# KiCad board hellen88m42bmw.kicad_pcb (continued)
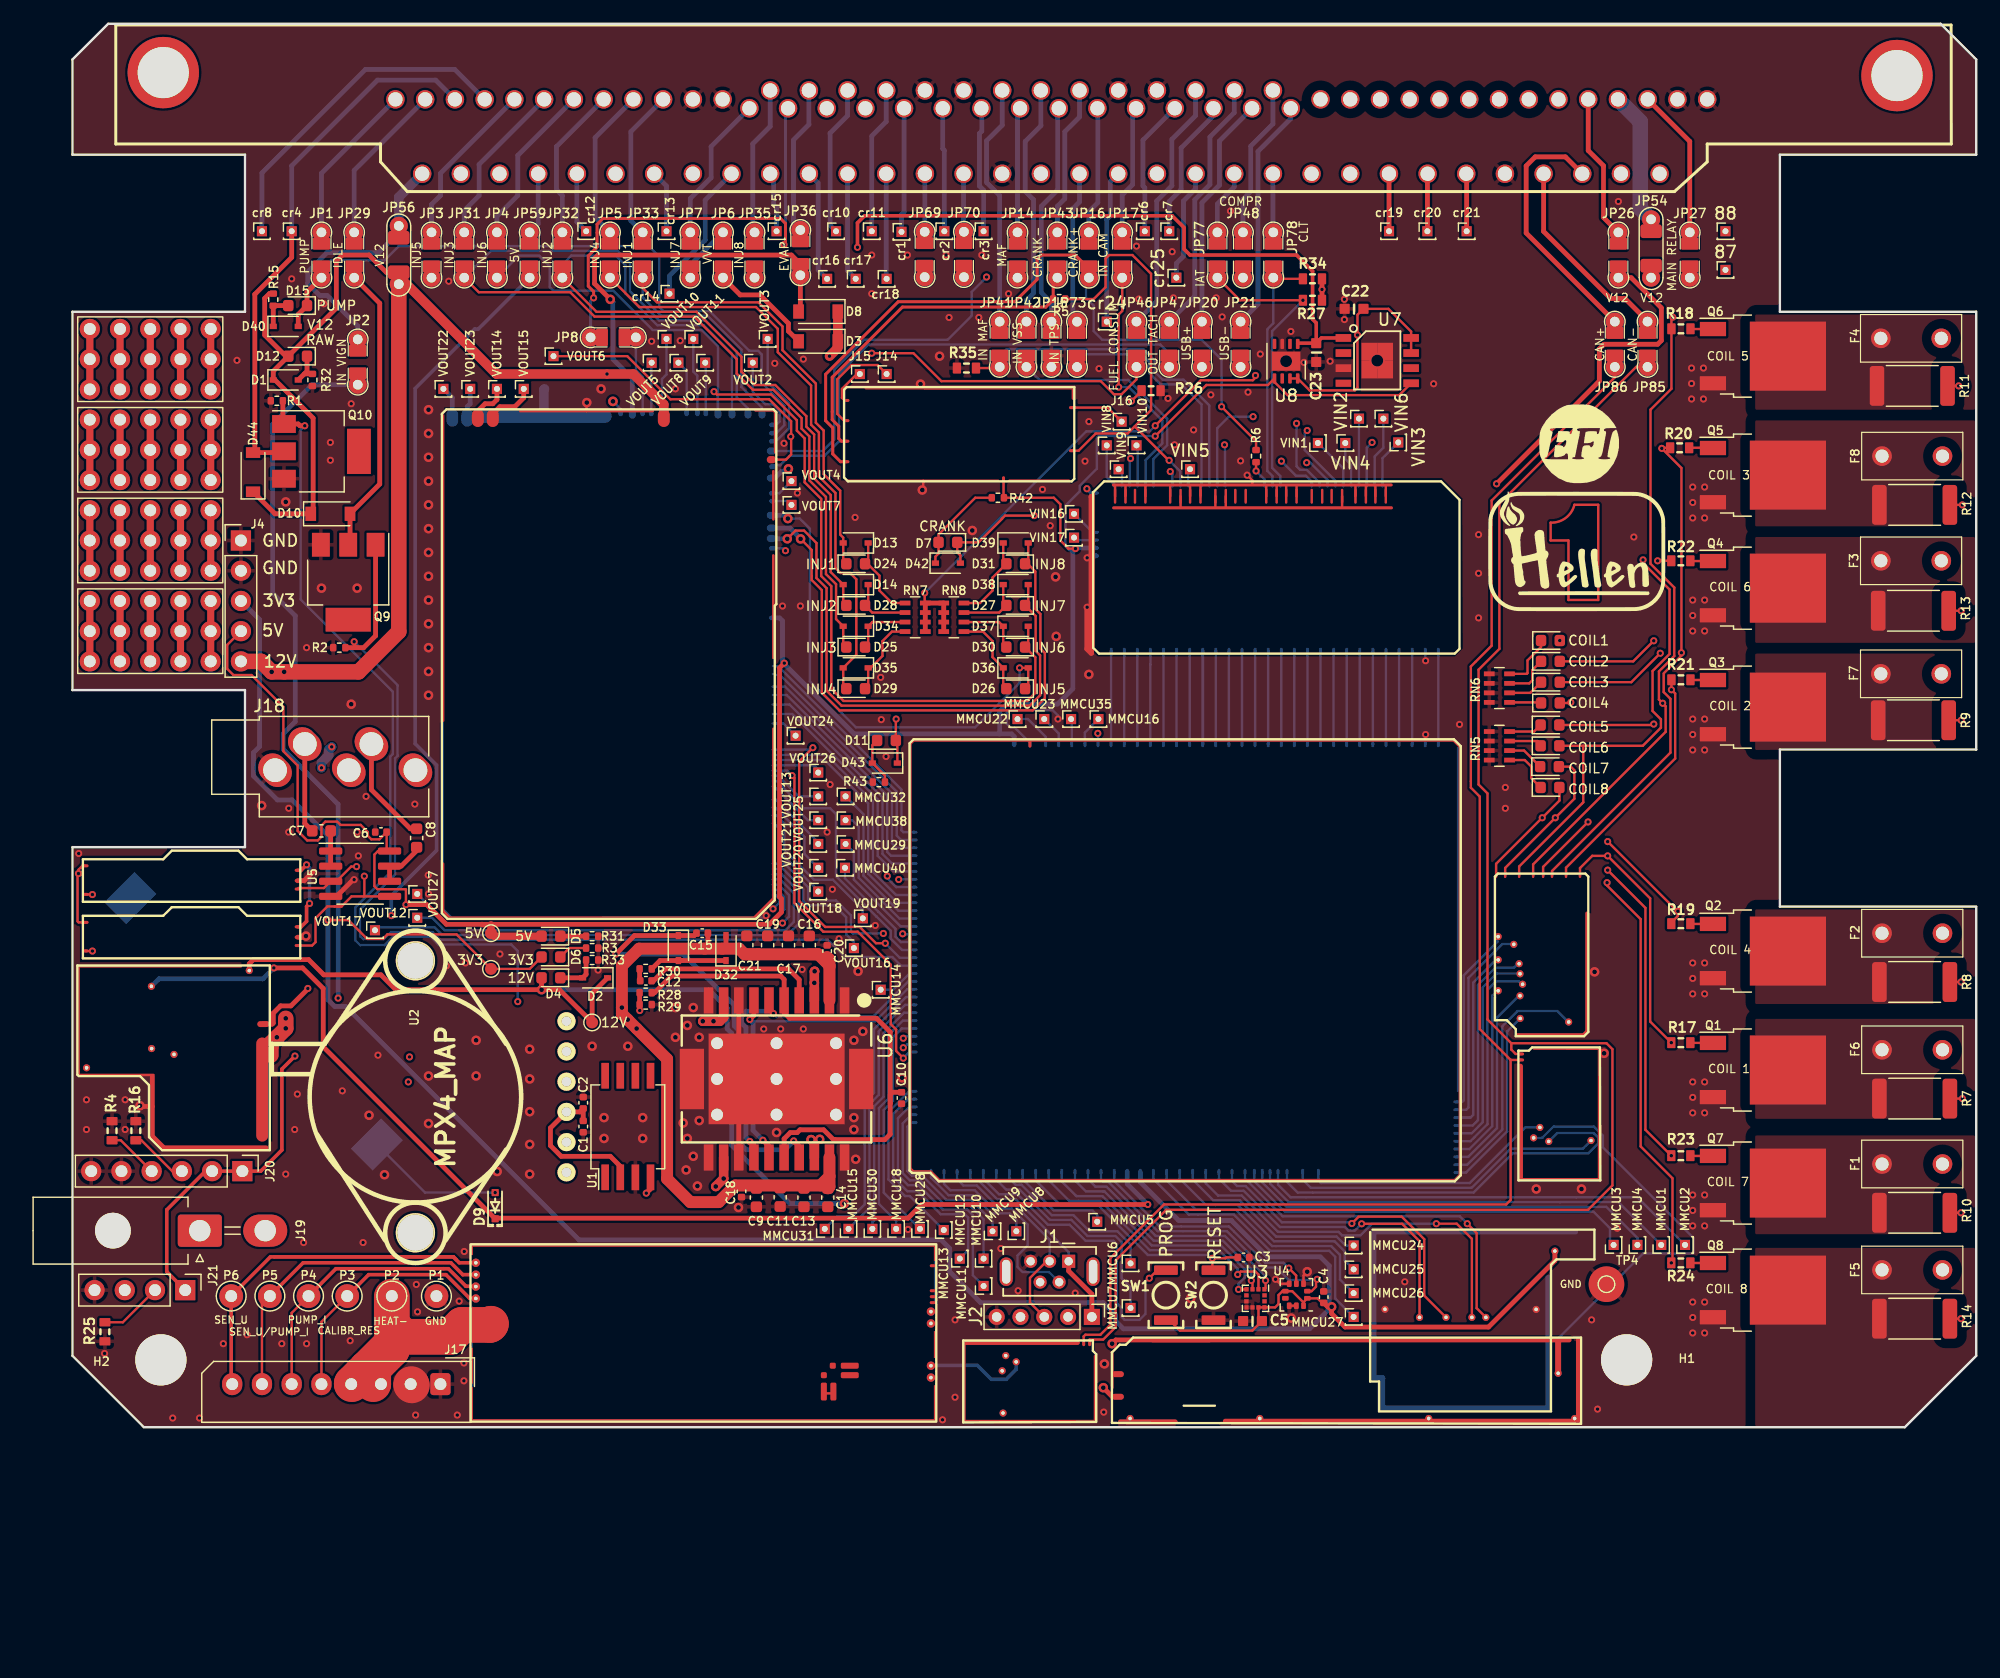
[diagram p0: board, top side]
## Routing (per net, layer and track width the routed paths; a pad name or vN(x,y) marks a point on that pad's centre or on a via; arc(x,y) is an arc through that point) (continued)
Net-(M9B-LOW8_HIGH2): length 36.9
  Bottom w0.2: M9.W37 59.47,46.04 60.63,44.89 60.63,42.47 59.92,41.77 31.28,41.77 30.23,42.82 VOUT12.1
Net-(M9B-LOW9): length 4.4
  Bottom w0.2: VOUT13.1 61.03,53.02 59.3,54.75 M9.W27
Net-(M9B-LOW11): length 11.2
  Bottom w0.2: M9.W35 59.72,46.92 61.43,45.22 61.43,44.21 61.76,43.87 64.01,43.87 65.03,42.86 65.03,41.42 65.68,40.77 VOUT16.1
Net-(M9B-LOW12): length 41.8
  Bottom w0.2: VOUT17.1 25.68,42.02 30.43,42.02 31.08,41.37 60.09,41.37 61.03,42.31 61.03,45.05 59.6,46.48 M9.W36
Net-(M9B-SOLENOID_A1): length 7.3
  Bottom w0.2: M9.W33 59.43,50.3 59.43,48.35 62.68,45.1 VOUT18.1
Net-(M9B-SOLENOID_A2): length 12.8
  Bottom w0.2: VOUT19.1 66.43,43.5 63.91,46.02 62.32,46.02 59.83,48.51 59.83,50.76 59.15,51.43 M9.W32
Net-(M9B-SOLENOID_B1): length 6.7
  Bottom w0.2: VOUT20.1 61.53,48.17 61.53,49.62 59.06,52.09 M9.W31
Net-(M9B-SOLENOID_B2): length 5.4
  Bottom w0.2: VOUT21.1 62.68,49.17 59.1,52.75 M9.W30
Net-(M9C-OUT_HIGH1): length 2
  Bottom w0.2: M9.W8 59.4,78.5 VOUT4.1
Net-(M9C-OUT_HIGH2): length 4.2
  Bottom w0.2: VOUT5.1 48.65,89.45 M9.S9
Net-(M9C-OUT_LOW2): length 6.9
  Bottom w0.2: VOUT2.1 57.18,87.04 58.24,85.97 58.88,85.97 59.43,85.43 59.43,84.52 59.15,84.24 M9.W1
Net-(M9C-OUT_LOW6_DIODE): length 10.1
  Bottom w0.2: M9.W3 59.12,82.87 60.23,83.97 60.23,86.05 58.43,87.85 VOUT3.1
Net-(M9C-OUT_LOW7_PULLUP): length 1.7
  Bottom w0.2: VOUT7.1 60.1,77.85 M9.W9
Net-(M9C-OUT_LOW8_PULLUP): length 4.5
  Bottom w0.2: VOUT8.1 51.62,88.78 M9.S12
Net-(M9C-OUT_LOW9): length 4.2
  Bottom w0.2: VOUT9.1 53.23,89.42 M9.S14
Net-(M9C-OUT_LOW11): length 6.4
  Bottom w0.2: VOUT10.1 49.93,88.49 49.54,88.11 M9.S10
Net-(M9C-OUT_LOW12): length 6.3
  Bottom w0.2: M9.S13 52.52,88.38 52.18,88.72 VOUT11.1
Net-(M9C-OUT_SOLENOID_A1): length 2.7
  Bottom w0.4: VOUT22.1 31.92,86.52 M9.S1
Net-(M9C-OUT_SOLENOID_A2): length 2.5
  Bottom w0.4: VOUT23.1 33.43,86.02 33.18,85.78 M9.S2
Net-(M9C-OUT_SOLENOID_B1): length 3.5
  Top w0.4: VOUT14.1 35.68,86.37 35.33,86.02 34.68,86.02 34.07,85.42 M9.S4
Net-(M9C-OUT_SOLENOID_B2): length 4.3
  Top w0.4: VOUT15.1 37.93,86.52 37.18,85.77 35.93,85.77 35.32,85.17 M9.S5
Net-(M11A-SPI1_CS1): length 19.1
  Bottom w0.2: M11.E4 70.23,27.58 68.98,26.32 68.98,21.03 70.18,19.83 71.05,19.83 72.97,17.9 75,17.9 75.28,17.62 75.28,14.87 MMCU12.1
Net-(M11A-SPI1_CS2): length 15
  Bottom w0.2: M11.E5 70.33,28.24 68.58,26.49 68.58,20.82 69.97,19.43 70.37,19.43 MMCU13.1
Net-(M11A-SPI1_MISO): length 17.2
  Bottom w0.2: 70.78,26.29 70.53,26.29 69.78,25.53 69.78,21.36 70.39,20.75 71.26,20.75 73.31,18.7 75.36,18.7 76.58,17.48 MMCU10.1
Net-(M11A-SPI1_MOSI): length 20.6
  Bottom w0.2: M11.E3 70.32,26.92 69.38,25.97 69.38,21.19 70.22,20.35 71.09,20.35 73.14,18.3 75.2,18.3 75.68,17.82 75.68,12.77 MMCU11.1
Net-(M11A-SPI1_SCK): length 14.2
  Bottom w0.2: MMCU9.1 77.33,17.3 75.53,19.1 73.47,19.1 71.42,21.15 70.55,21.15 70.18,21.52 70.18,25.27 70.5,25.6 M11.E1
Net-(M11A-SWCLK): length 8.7
  Bottom w0.2: M11.N25 79.85,20.85 82.47,18.23 85.72,18.23 86.13,17.82 MMCU5.1
Net-(M11A-SWDIO): length 14.8
  Bottom w0.2: 79.58,20.37 79.76,20.37 ; 79.58,20.37 79.76,20.37 ; 79.58,20.37 79.28,20.37 78.75,20.9 M11.N26 ; 79.76,20.37 82.31,17.83 84.12,17.83 85.48,16.47 87.82,16.47 88.93,15.37 MMCU6.1
Net-(M11A-SWO): length 19.2
  Bottom w0.2: MMCU7.1 88.93,11.77 88.18,12.52 88.18,15.55 87.66,16.07 85.31,16.07 83.96,17.43 82.14,17.43 79.6,19.97 78.48,19.97 77.65,20.8 M11.N27
Net-(M11A-UART2_RX): length 33.9
  Bottom w0.2: MMCU3.1 129.23,15.62 129.23,16.72 127.83,18.12 101.88,18.12 99.33,20.68 M11.N7
Net-(M11A-UART2_TX): length 34.9
  Bottom w0.2: M11.N6 99.99,20.58 102.05,18.52 128.91,18.52 131.53,15.91 MMCU4.1
Net-(M11A-UART8_RX): length 36
  Bottom w0.2: MMCU1.1 129.93,18.92 125.03,18.92 125.02,18.92 120.03,18.92 120.02,18.92 104.93,18.92 102.21,18.92 100.66,20.48 M11.N5
Net-(M11A-UART8_TX): length 37.4
  Bottom w0.2: M11.N4 101.32,20.38 102.37,19.32 103.68,19.32 126.37,19.32 126.38,19.32 131.53,19.32 MMCU2.1
Net-(M11A-USB1ID): length 10.1
  Bottom w0.2: MMCU8.1 79.33,17.42 78.77,17.98 77.21,17.98 75.69,19.5 73.64,19.5 72.15,20.98 M11.N32
Net-(M11B-OUT_IO2): length 21.7
  Bottom w0.2: 65.23,16.57 MMCU15.1 66.98,18.43 66.98,27.15 67.77,27.94 67.77,33.28 69.98,35.5 M11.E12
Net-(M11B-OUT_IO4): length 11.7
  Bottom w0.2: MMCU38.1 65.53,51.02 66.08,50.47 66.08,46.19 69.51,42.76 M11.E23
Net-(M11B-OUT_IO6): length 19.9
  Bottom w0.2: M11.E9 69.7,33.52 68.97,32.78 68.97,27.44 68.18,26.66 68.18,19.72 MMCU28.1 71.23,16.57
Net-(M11B-OUT_IO8): length 10
  Bottom w0.2: MMCU29.1 65.68,48.32 65.68,46.02 69.6,42.1 M11.E22
Net-(M11B-OUT_IO9): length 20.3
  Bottom w0.2: 67.23,16.57 67.23,17.22 67.38,17.38 67.38,20.36 67.38,26.99 68.17,27.77 68.17,33.11 69.89,34.84 M11.E11
Net-(M11B-OUT_IO10): length 20
  Bottom w0.2: 69.23,16.57 69.23,17.32 67.78,18.77 67.78,26.82 68.57,27.61 68.57,32.95 69.79,34.18 M11.E10
Net-(M11B-OUT_IO11): length 9.3
  Bottom w0.2: MMCU40.1 64.93,46.13 67.74,43.32 67.74,43.32 69.18,41.89 69.18,41.22 69.62,40.78 M11.E20
Net-(M11B-OUT_IO12): length 23.8
  Bottom w0.2: M11.E13 70.06,36.16 67.37,33.46 67.37,28.1 66.58,27.32 66.58,18.73 65.55,17.7 64.25,17.7 MMCU31.1
Net-(M11B-OUT_IO13): length 12.8
  Bottom w0.2: MMCU32.1 66.48,51.52 66.48,46.35 69.41,43.42 M11.E24
Net-(M11B-OUT_PWM4): length 3.4
  Bottom w0.2: M11.E16 70.35,38.14 68.98,36.77 MMCU14.1
Net-(M11C-IN_D1): length 3.6
  Bottom w0.2: MMCU22.1 80.3,59.52 81.79,58.03 81.79,57.4
Net-(M11C-IN_D2): length 2.6
  Bottom w0.2: 82.89,57.4 82.89,58.31 MMCU23.1
Net-(M11C-IN_D3): length 2.1
  Bottom w0.2: MMCU35.1 83.99,59.46 83.99,57.4
Net-(M11C-IN_D4): length 2.6
  Bottom w0.2: 85.09,57.4 85.09,58.39 MMCU16.1
Net-(M11D-IO1): length 16.5
  Bottom w0.2: M11.N12 94.15,20.8 95.87,19.07 98.1,19.07 101.16,16.02 106.24,16.02 106.99,15.27 MMCU24.1
Net-(M11D-IO2): length 18.8
  Bottom w0.2: M11.N13 93.05,20.9 95.27,18.67 97.94,18.67 100.99,15.62 106.08,15.62 106.93,14.77 106.93,14.02 MMCU25.1
Net-(M11D-IO3): length 21.6
  Bottom w0.2: MMCU26.1 106.53,12.42 106.53,14.49 105.79,15.22 100.83,15.22 97.77,18.28 94.42,18.28 91.95,20.75 M11.N14
Net-(M11D-IO4): length 24.3
  Bottom w0.2: MMCU27.1 106.13,10.82 106.13,14.32 105.62,14.82 100.66,14.82 97.61,17.88 93.82,17.88 90.85,20.85 M11.N15
Net-(Q1-G): length 1.9
  Top w0.2: R17.1 136,32.3 Q1.1
Net-(Q2-G): length 1.9
  Top w0.2: Q2.1 136,42.3 R19.1
Net-(Q3-G): length 1.9
  Top w0.2: R21.1 136,62.8 Q3.1
Net-(Q4-G): length 1.9
  Top w0.2: R22.1 136,72.8 Q4.1
Net-(Q5-G): length 2
  Top w0.2: Q5.1 137.85,82.32 R20.1
Net-(Q6-G): length 1.9
  Top w0.2: R18.1 136,92.3 Q6.1
Net-(Q7-G): length 1.9
  Top w0.2: R23.1 136,22.8 Q7.1
Net-(Q8-G): length 1.9
  Top w0.2: R24.1 135.99,13.8 Q8.1
Net-(U5A--): length 3
  Top w0.4: U5.2 U5.1 C7.1
Net-(U5B--): length 4.4
  Top w0.4: C8.1 28.93,48.46 27.63,47.16 U5.7 U5.6
Net-(U6-ENA): length 45.9
  Top w0.4: 68.73,27.22 68.73,24.62 68.28,24.17 63.96,24.17 63.13,25 61.14,25 60.91,24.76 60.33,24.76 59.81,24.25 U6.16 ; 68.73,27.22 68.73,27.97 68.91,28.15 C10.1 ; 68.73,27.22 68.73,33.22 67.58,34.37 60.28,34.37 59.81,34.84 U6.5 59.81,37.64 59.53,37.92 50.33,37.92 48.93,36.52 R28.1
Net-(U6-VCP): length 14.9
  Top w0.4: C12.2 48.84,37.52 49.84,38.52 60.18,38.52 61.08,37.62 U6.4

## Copper pours and planes (outline as drawn; the poured copper is in the pictures)
GND on Top, Bottom, In1.Cu, In2.Cu: 159.93,115.02 159.93,107.02 143.43,107.02 143.43,93.77 159.93,93.77 159.93,6.02 153.93,0.02 5.93,0.02 -0.07,6.02 -0.07,48.77 14.43,48.77 14.43,62.02 -0.07,62.02 -0.07,93.77 14.43,93.77 14.43,107.02 -0.07,107.02 -0.07,115.02 2.93,118.02 156.93,118.02
/COIL_1 on Top: 159.93,25.92 141.43,25.92 141.43,34.32 159.93,34.32
/COIL_2 on Top: 159.93,57.02 141.43,56.92 141.43,65.02 159.93,65.02
/COIL_3 on Top: 159.93,75.72 141.43,75.72 141.43,84.62 159.93,84.62
/COIL_4 on Top: 159.93,43.52 159.93,35.57 141.43,35.57 141.43,43.52
/COIL_5 on Top: 141.43,93.52 159.93,93.52 159.93,85.52 141.43,85.52
/COIL_6 on Top: 159.93,65.92 141.43,65.92 141.43,74.82 159.93,74.82
/COIL_7 on Top: 159.93,16.22 141.43,16.22 141.43,24.52 159.93,24.52
/COIL_8 on Top: 159.93,6.02 153.93,0.02 141.43,0.02 141.43,15.07 159.93,15.07

## Text on the board
B.Silkscreen: +5V|INT TPS|SIGN|GND | +5V|+5V|INT TPS|SIGN|GND|GND | OUT ETB+ | OUT ETB- | SEN_U | SEN_U/PUMP_I | PUMP_I | CALIBR_RES | HEAT- | GND | PUMP | IDLE | IN VIGN | V12 | INJ5 | INJ3 | INJ6 | 5V | INJ2 | INJ4 | INJ1 | INJ7 | VVT | INJ8 | EVAP | IN MAF | IN VSS | CRANK- | IN TPS | CRANK+ | IN CAM | FUEL CONSUM | OUT TACH | IAT | USB+ | USB- | CLT | CAN+ | CAN- | MAIN RELAY | 65 | NC / 66 | NC / 67 | NC / 68 | NC / 69 | IN KNOCK1 RAW / 70 | IN KNOCK2 RAW / 71 | GND / 72 | X / 73 | TPS signal / 74 | NC / 75 | X / 76 | NC / 77 | IAT / 78 | CLT / 79 | X / 80 | X / 81 | NC / 82 | NC / 83 | NC / 84 | GND / 85 | CAN - / 86 | CAN + / 87 | NC / 88 | NC | 33 | INJ 1 / 34 | GND / 35 | INJ 8 / 36 | EVAP / 37 | NC / 38 | NC / 39 | GND / 40 | GND / 41 | MAF signal / 42 | VSS input / 43 | IN CRANK - / 44 | GND / 45 | GND / 46 | Fuel consumption / 47 | RPM output / 48 | AC COMPR / 49 | COIL 8 / 50 | COIL 1 / 51 | COIL 2 / 52 | COIL 3 / 53 | X / 54 | 12v+ / 55 | GND / 56 | 12v+ / 57 | X / 58 | X / 59 | 5v sensor supply / 60 | NC / 61 | X / 62 | NC / 63 | X / 64 | NC | 1    | Fuel   pump / 2    | ICV / 3    | Inj 5 / 4 | Inj 6 / 5 | Inj 4 / 6 | GND / 7 | VVT Solenoid | Inj7 / 8 | Check Engine Light / 9 | X / 10   | X / 11   | NC / 12   | NC / 13 | NC / 14 | GND | MAF gnd / 15 | GND / 16 | IN CRANK+ / 17 | IN CAM / 18   | NC / 19   | NC / 20 | USB_D+ / 21 | USB_D- / 22 | COIL 7 / 23 | COIL 4 / 24 | COIL 6 / 25 | COIL 5 / 26   | V12_PERM / 27   | OUT       MAIN / 28   | GND / 29 | OUT IDLE / 30 | / 31 | INJ 3 / 32 | INJ 2 | Vbus DN DP X GND | MAF | COMPR | 1 | https://rusefi.com/s/hellen88bmw/ | 56 | 29 | 2 | X | 30 | 3 | 59 | 31 | 4 | 60 | 32 | 5 | 62 | 33 | 6 | 34 | 64 | 7 | 35 | 65 | 8 | 36 | 66 | 37 | 67 | 38 | 68 | 11 | 39 | 69 | 12 | 40 | 70 | 13 | 41 | 71 | 14 | 42 | 15 | 43 | 73 | 16 | 44 | 17 | 45 | 18 | 46 | 19 | 47 | 77 | 20 | 48 | 78 | 21 | 49 | 22 | 50 | 81 | 23 | 82 | 51 | 83 | 24 | 52 | 84 | 25 | 85 | 86 | 26 | 54 | 87 | Hellen 88bmw rev. d modifed by filipesbp | 27 | 88 | 55 | 28 | 3V3 | 12V
F.Silkscreen: SEN_U | SEN_U/PUMP_I | PUMP_I | CALIBR_RES | HEAT- | GND | COMPR | V12 | COIL 8 | COIL 5 | COIL 7 | COIL 3 | COIL 1 | COIL 6 | COIL 2 | COIL 4 | PUMP | IDLE | IN VIGN | INJ5 | INJ3 | INJ6 | 5V | INJ2 | INJ4 | INJ1 | INJ7 | VVT | INJ8 | EVAP | IN MAF | MAF | IN VSS | CRANK- | IN TPS | CRANK+ | IN CAM | FUEL CONSUM | OUT TACH | USB+ | IAT | USB- | CLT | CAN+ | CAN- | MAIN RELAY | V12 / RAW | 3V3 | 12V | CRANK | COIL1 | COIL2 | COIL3 | COIL4 | COIL5 | COIL6 | COIL7 | COIL8 | 88 | 87 | PROG | RESET
